# KiCad board pcb.kicad_pcb (continued)
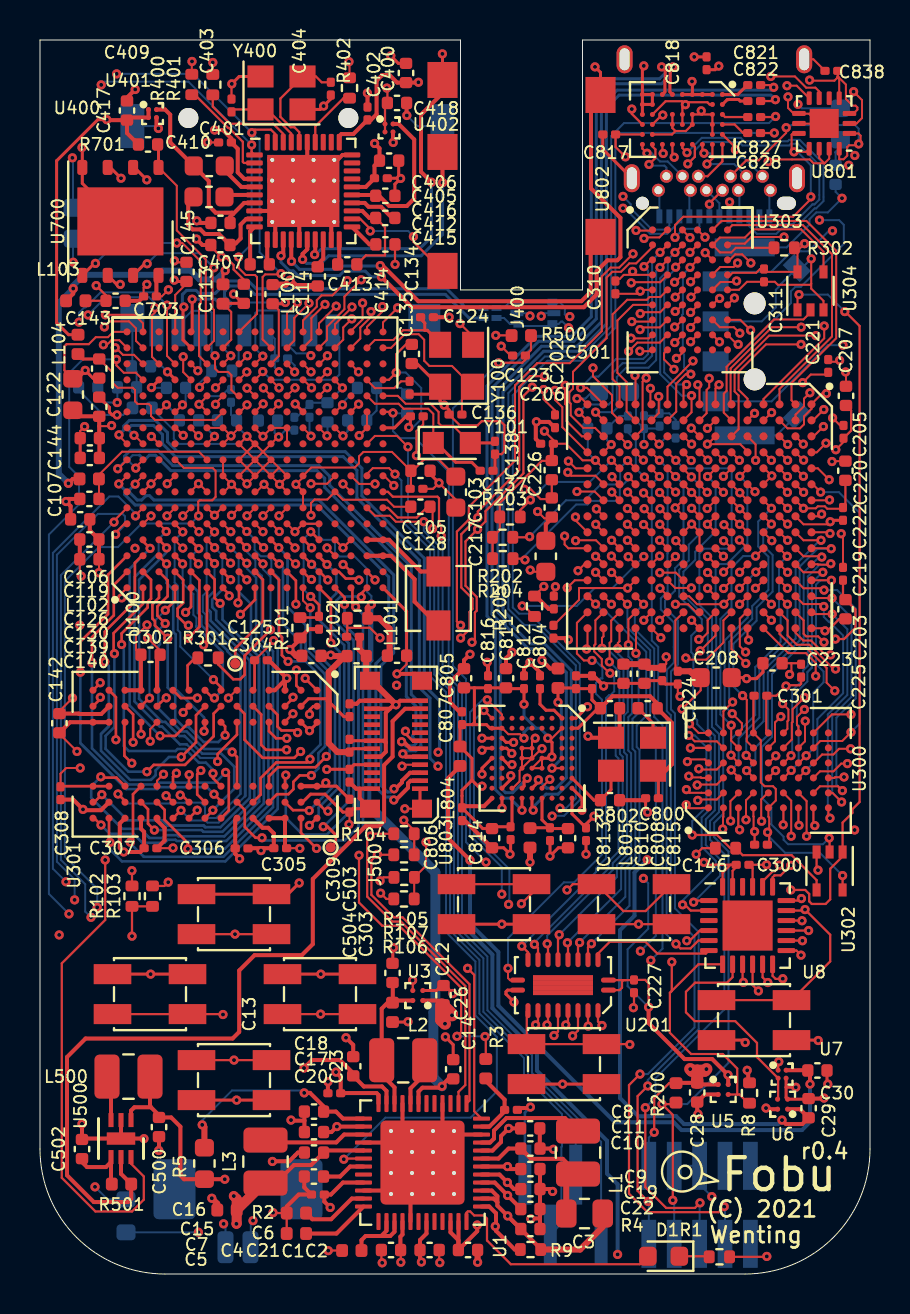
[diagram p0: board, top side]
## Routing (per net, layer and track width the routed paths; a pad name or vN(x,y) marks a point on that pad's centre or on a via; arc(x,y) is an arc through that point) (continued)
SDRAM_D29: length 17
  Top w0.13: v1(13.58,36.33) 13.18,36.72 U100.M4 ; v1(12.88,27.08) 12.77,27.19 12.07,27.19 11.88,27.39 11.88,27.97 U301.D2
  In2.Cu w0.13: v1(13.58,36.33) 13.97,35.93 14.16,35.93 14.16,35.92 14.54,35.92 14.54,35.93 15.45,35.93 15.65,35.73 15.65,35.22 ; 14.82,33.32 14.82,33.68 ; 14.82,33.68 15.36,34.22 15.36,34.93 15.65,35.22 ; 14.82,33.68 14.82,33.29 15.24,32.88 15.24,28.31 13.7,26.78 13.19,26.78 v1(12.88,27.08) ; 15.65,35.22 15.4,34.97
SDRAM_D30: length 11.9
  Top w0.13: U301.D3 11.45,27.15 11.81,26.79 v1(12.34,26.79) ; v1(12.79,33.51) 12.79,34.68 U100.L2
  In2.Cu w0.13: v1(12.79,33.51) 12.79,32.15 13.66,31.28 13.66,29.56 13.5,29.4 12.38,29.4 11.98,29 11.98,27.15 v1(12.34,26.79)
SDRAM_D31: length 16.6
  Top w0.13: U100.P2 14.95,35.12 15.29,34.78 15.88,34.78 v1(15.95,34.71) ; U301.E2 11.06,27.99 11.06,26.47 11.31,26.22 v1(12.33,26.22)
  In2.Cu w0.13: v1(15.95,34.71) 16.97,33.69 16.97,32.99 15.59,31.61 15.59,27.98 14.14,26.53 12.64,26.53 v1(12.33,26.22)
SDRAM_DM0: length 26.1
  Top w0.1: v1(8.73,37.12) 8.35,37.5 U100.F5
  Top w0.13: U301.K9 7.04,23.19 v1(7.05,23.19)
  Bottom w0.1: 10.26,23.91 8.93,22.58 8.37,22.58 8.27,22.69 7.55,22.69 v1(7.05,23.19) ; v1(8.73,37.12) 8.33,36.72 8.33,34.12 8.14,33.93 8.14,33.13 8.3,32.97
  Bottom w0.13: 10.26,23.91 10.26,30.59 9.6,31.25 9.6,31.29 8.34,32.55 8.3,32.55 8.3,32.97 ; 10.26,23.91 10.26,23.91 ; 10.26,23.91 10.26,30.55 10.26,30.55
SDRAM_DM1: length 8.1
  Top w0.13: v1(7.87,28.81) 7.04,28.81 U301.K1 ; U100.J1 10.75,33.73 v1(10.02,33)
  In2.Cu w0.13: v1(10.02,33) 10.02,31.64 7.87,29.49 v1(7.87,28.81)
SDRAM_DM2: length 31.4
  Top w0.13: U100.P1 15.23,33.85 v1(15.23,33.5) ; U301.F8 10.24,23.21 10.24,22.36 10.78,21.82 v1(11.1,21.82)
  Bottom w0.1: 15.23,32.47 15.92,31.78 15.92,22.38 15.23,21.69
  Bottom w0.13: v1(11.1,21.82) 11.23,21.69 15.23,21.69 15.92,22.38 15.92,31.78 15.23,32.47 v1(15.23,33.5)
SDRAM_DM3: length 16.8
  Top w0.13: v1(16.75,34.72) 16.75,34.72 U100.T2 ; U301.F2 10.23,28.02 10.23,26.72 11.13,25.82 12.72,25.82 v1(13.03,26.13)
  In2.Cu w0.13: v1(16.75,34.72) 17.2,34.27 17.2,32.79 15.82,31.41 15.82,27.84 14.26,26.28 13.18,26.28 v1(13.03,26.13)
SDRAM_RAS: length 16.4
  Top w0.13: U301.J9 7.85,23.2 v1(7.86,23.2) ; U100.J4 10.79,36.72 v1(11.18,36.33)
  In2.Cu w0.13: v1(11.18,36.33) 11.55,35.96 11.55,32.84 11.13,32.41 11.13,25.71 9.02,23.6 8.26,23.6 v1(7.86,23.2)
SDRAM_WE: length 19.7
  Top w0.1: v1(7.95,37.13) 7.56,37.53 U100.E5
  Top w0.13: v1(6.3,23.93) 6.32,23.93 U301.K8
  In2.Cu w0.1: 7.53,36.71 7.53,35.21
  In2.Cu w0.13: v1(7.95,37.13) 7.53,36.71 ; 7.53,35.21 5.78,33.46 5.78,31.49 4.26,29.97 2.84,29.97 2.5,29.63 2.5,26.44 4.92,24.02 6.21,24.02 v1(6.3,23.93)
UART2_RXD: length 70.8
  Top w0.1: v1(30.18,33.5) 30.18,33.5 U200.M13 ; U100.A6 3.7,37.67 v1(3.7,37.61)
  In2.Cu w0.1: v1(2.55,17.84) 15.22,17.84 17.39,15.67 30.52,15.67 v1(30.54,15.69)
  Bottom w0.1: v1(2.55,17.84) 2.26,18.13 2.26,19.5 1.05,20.71 1.05,34.96 v1(3.7,37.61) ; v1(30.54,15.69) 31.12,16.27 31.12,27.46 30.71,27.87 30.71,31.28 29.74,32.25 29.74,33.06 v1(30.18,33.5)
UART2_TXD: length 77.4
  Top w0.1: U100.D9 6.78,40.72 7.19,40.32 8.63,40.32 8.78,40.17 8.78,38.87 8.61,38.7 7.98,38.7 7.91,38.63 7.91,37.94 v1(7.93,37.92) ; U200.N13 29.37,33.5 v1(29.37,33.5)
  In2.Cu w0.1: v1(30.02,16.15) 29.74,15.87 17.47,15.87 15,18.34 v1(2.86,18.34)
  Bottom w0.1: v1(7.93,37.92) 7.55,37.54 5.08,37.54 3.9,36.36 2.95,36.36 1.25,34.66 1.25,20.88 2.86,19.27 v1(2.86,18.34) ; v1(29.37,33.5) 29.37,32.34 30.51,31.2 30.51,27.64 30.79,27.36 30.79,16.92 v1(30.02,16.15)
USB_DM: length 18.9
  Top w0.15: v1(7.19,48.37) 7.15,48.33 7.15,46.72 U100.E16
  Bottom w0.15: L800.1 21.3,48.32 20.34,49.28 10.81,49.28 10.42,49.67 9.38,49.67 8.76,49.05 7.95,49.05 7.8,49.2 7.33,49.2 7.12,48.99 7.12,48.44 v1(7.19,48.37)
USB_DP: length 18.4
  Top w0.15: v1(7.61,48.76) 7.61,47.18 U100.E17
  Bottom w0.15: L800.2 21.45,47.82 20.27,49 10.74,49 10.32,49.42 9.48,49.42 9.27,49.2 9.27,49.2 9.22,49.16 9.22,48.89 9.52,48.59 9.52,48.47 9.36,48.31 9.21,48.31 8.76,48.76 v1(7.61,48.76)
WAKEUP: length 44.8
  Top w0.1: U100.T8 16.35,40.02 16.64,40.31 17.45,40.31 v1(17.75,40.01)
  Top w0.11: v1(15.19,5.74) 15.22,5.78 U1.18
  Bottom w0.1: v1(17.75,40.01) 18.07,39.69 18.07,37.69 19.5,36.26 19.5,29.9 20.3,29.1 20.3,17.1 21.77,15.63 21.77,12.93 22.84,11.86 22.84,9.13 21.53,7.82 17.27,7.82 v1(15.19,5.74)
Net-(C6-Pad1): length 3.4
  Top w0.2: U1.24 14.83,2.03 C6.1
Net-(C7-Pad1): length 2.2
  Top w0.2: U1.19 15.5,5.38 15,4.88 C7.1
Net-(C8-Pad1): length 3.5
  Top w0.2: U1.47 22.47,7.38 23.23,8.13 23.23,8.72 22.29,9.66 R3.1
Net-(C10-Pad2): length 7.8
  Top w0.2: U1.43 22.92,5.78 23.42,6.28 C10.2 24.55,5.76 26.14,5.76 L1.2 26.31,4.41
  Top w0.3: R4.1 26.31,4.41
Net-(C12-Pad2): length 7.7
  Top w0.2: 17.64,13.58 17.64,14.58 ; 17.64,13.58 17.39,13.58 17.08,13.27 L2.2 17.08,9.98 17.72,9.33 U1.10 ; 17.64,13.58 17.75,13.68 U3.A2
Net-(C18-Pad2): length 10.8
  Top w0.2: v1(13.21,9.06) 13.5,9.06 14.18,8.38 C18.2 14.8,8.12 15.14,7.78 U1.13
  Top w0.3: v1(8.11,7.46) 8.22,7.35 R5.2
  Bottom w0.1: v1(8.11,7.46) 8.11,7.69 9.6,9.18 13.09,9.18 v1(13.21,9.06)
Net-(C101-Pad1): length 11.3
  Top w0.11: C101.1 15.36,31.91 15.36,32.33 ; v1(14.35,36.32) 14.75,35.92 U100.P3 ; v1(17,31.82) 16.5,32.33 15.36,32.33 ; 15.36,32.33 R100.2
  In2.Cu w0.13: v1(17,31.82) 17.71,32.53 17.71,35.26 16.2,36.77 14.78,36.77 14.78,36.75 v1(14.35,36.32)
Net-(C102-Pad1): length 6.2
  Top w0.13: v1(13.54,37.12) 13.55,37.12 U100.N4 ; v1(13.53,33.89) 13.95,33.47 C102.1 13.89,32.83 R101.1
  Bottom w0.1: v1(13.54,37.12) 13.18,36.77 13.18,34.24 v1(13.53,33.89)
Net-(C110-Pad1): length 1.7
  Top w0.1: U100.P12 14.78,43.12 v1(15.12,43.47)
  Bottom w0.1: v1(15.12,43.47) 15.12,43.58 C110.1
Net-(C111-Pad1): length 1.4
  Top w0.1: v1(15.15,41.92) 14.75,42.32 U100.P11
  Bottom w0.1: C111.1 15.38,42.15 v1(15.15,41.92)
Net-(C113-Pad1): length 12.6
  Top w0.1: L100.2 9.56,48.12 9.56,46.73 U100.G16 ; v1(13.55,41.91) 13.55,41.92 U100.M11 ; U100.K15 11.94,45.92 11.94,48.22 C114.1
  Top w0.15: L100.2 9.17,48.55 C113.1 10.14,48.55 v1(9.68,49.01) ; v1(12.27,48.59) 12.2,48.53 C114.1
  Bottom w0.1: v1(9.68,49.01) 10.1,48.59 v1(12.27,48.59) ; C115.1 13.47,41.98 v1(13.55,41.91)
Net-(C123-Pad1): length 7.7
  Top w0.1: U100.U16 17.56,46.33 18.24,47.01 18.93,47.01 19.21,46.73 19.21,45.68 19.47,45.42 20.6,45.42 21.09,44.92 21.09,42.9
Net-(C124-Pad1): length 5.1
  Top w0.1: 19.24,47.2 19.23,47.21 18.16,47.21 17.67,46.72 16.75,46.72 U100.T16
  Top w0.15: 19.03,47.78 19.24,47.56 19.24,47.2 19.37,47.2 20,46.56 20,46.41
Net-(C126-Pad1): length 7.3
  Top w0.1: C126.1 2.95,39.98 4.1,41.13 7.94,41.13 U100.F9
Net-(C134-Pad1): length 8.8
  Top w0.11: U100.U14 17.44,44.72 v1(17.81,45.09) 17.81,46.01 18.3,46.5 C134.1
  Top w0.15: v1(18.44,42.35) 18.52,42.43 C136.1 18.3,42.9 17.72,42.33 U100.U11
  Bottom w0.1: v1(18.44,42.35) 18.65,42.35 19.06,42.76 19.06,44.32 18.29,45.09 v1(17.81,45.09)
Net-(C135-Pad1): length 2.5
  Top w0.1: C135.1 18.05,44.65 17.71,44.31 16.75,44.31 16.35,44.71 U100.T14
Net-(C137-Pad2): length 8.1
  Top w0.1: Y101.1 19.67,43.03 19.41,43.28 18.18,43.28 17.93,43.53 16.75,43.53 U100.T13
  Top w0.15: Y101.1 19.82,41.57 20.79,40.6 21.59,40.6 C137.2
Net-(C138-Pad2): length 6.9
  Top w0.1: Y101.2 20.66,42.43 20.06,42.43 19.93,42.56 19.93,43.12 19.52,43.53 18.28,43.53 17.89,43.92 U100.U13
  Top w0.15: C138.2 22.67,41.57 Y101.2
Net-(C143-Pad1): length 14.9
  Top w0.1: v1(10.35,43.47) 10,43.12 U100.H12
  Top w0.11: v1(2.81,49.44) 3.3,48.95 C143.1 L103.1
  In2.Cu w0.1: v1(2.81,49.44) 3.71,48.54 3.71,47.06 4.77,46 4.77,44.27 6.17,42.87 9.75,42.87 v1(10.35,43.47)
Net-(C144-Pad1): length 9.7
  Top w0.1: C144.1 3.6,45.13 3.6,44.61 3.88,44.33 4.64,44.33 4.75,44.22 4.75,43.65 4.88,43.52 5.44,43.52 5.55,43.41 5.55,42.92 5.75,42.72 8.75,42.72 U100.G12
  Top w0.15: C144.1 2.14,45.77 L104.1
Net-(C403-Pad1): length 4
  Top w0.11: C403.1 9.69,58.25 Y400.1 11.35,58.25 12.56,57.04 U400.37
Net-(C404-Pad1): length 5.8
  Top w0.11: C404.1 14.08,59.61 13.8,59.9 Y400.3 12.02,58.8 12.02,57.88 12.54,57.36 12.72,57.36 12.96,57.12 U400.36
Net-(C407-Pad1): length 6.2
  Top w0.2: C407.1 8.95,52.02 8.25,52.02 8.02,52.25 7.63,52.25 7.41,52.47 7.41,53.61 C410.1 ; 9.5,51.55 9.78,51.55 10.03,51.79 10.03,52.49 10.31,52.77 U400.9
Net-(C408-Pad1): length 9.3
  Top w0.2: 10.72,53.58 10.2,53.58 9.66,53.03 ; 9.66,53.03 9.6,53.09 8.78,53.09 8.44,53.43 8.44,54.67 C409.1 6.51,56.6 6.51,57.99 6.25,58.24 5.83,58.24 ; 9.66,53.03 9.5,52.88 9.5,52.58
Net-(C409-Pad2): length 2.1
  Top w0.2: U400.5 10.06,54.38 9.24,55.2 C409.2
Net-(C410-Pad2): length 1.5
  Top w0.2: 10.72,53.98 9.33,53.98 9.22,53.88
Net-(C411-Pad1): length 2
  Top w0.2: U400.10 10.51,52.16 C411.1
Net-(C411-Pad2): length 1.3
  Top w0.2: U400.11 11.36,50.61 C411.2
Net-(C412-Pad1): length 5
  Top w0.11: C413.1 16.29,50.95 17.25,50.95 17.25,52.36 C412.1
  Top w0.2: U400.23 16.11,53.17 16.47,52.83 C412.1
Net-(C412-Pad2): length 2.5
  Top w0.2: C412.2 17.61,52.83 17.05,53.38 16.43,53.38 16.23,53.58 15.6,53.58
Net-(C413-Pad2): length 1.3
  Top w0.2: C413.2 14.96,50.58 U400.20
Net-(C414-Pad1): length 1.3
  Top w0.2: U400.18 14.16,50.78 13.89,50.5
Net-(C415-Pad1): length 1.6
  Top w0.2: C415.1 16.47,51.5 U400.21
Net-(C416-Pad1): length 7.8
  Top w0.2: 15.6,53.98 15.61,53.97 16.75,53.97 C416.1 16.95,53.93 17.46,53.42 18.34,53.42 18.71,53.79 18.71,56.75 17.94,57.52 17.65,57.52
Net-(C501-Pad1): length 73.1
  Top w0.11: v1(22.93,45.58) 24.11,45.58 24.27,45.74 C501.1 24.55,46.22 R500.1 ; v1(3.26,20.71) 3.26,17.71 1.09,15.54 1.09,4.81 2.77,3.13 4.6,3.13 5.19,3.72 5.19,4.88 4.55,5.52 U500.6
  In2.Cu w0.1: 21.58,20.22 21.92,20.22 v1(22.3,20.6)
  In2.Cu w0.11: v1(3.26,20.71) 4.63,20.71 4.95,20.38 10.17,20.38 10.3,20.51 18.23,20.51 18.52,20.22 21.58,20.22
  Bottom w0.1: v1(22.3,20.6) 21.3,21.6 21.3,23.95 21.3,29.76 20.64,30.42 20.64,43.29 v1(22.93,45.58)
Net-(C502-Pad1): length 3.4
  Top w0.2: R501.1 3.55,4.54 U500.4 3.55,5.6 3.3,5.35 2.35,5.35 2.1,5.6 C502.1
Net-(C821-Pad2): length 1.5
  Top w0.15: U802.A1 34.89,59 35.36,59.47 C821.2
Net-(C822-Pad2): length 1.4
  Top w0.15: U802.A2 34.36,58.74 34.41,58.74 34.42,58.75 34.93,58.75 35.01,58.67 C822.2
Net-(C827-Pad2): length 1.3
  Top w0.11: C827.2 34.25,57.87 U802.A3
Net-(C828-Pad2): length 1.4
  Top w0.11: U802.A4 34.73,57.5 35.16,57.07 35.38,57.07
Net-(CARD700-Pad5): length 2.3
  Bottom w0.1: CARD700.5 10.22,46.52 9.93,46.23 9.93,45.5 R700.1
Net-(D1-Pad1): length 1.5
  Top w0.11: R1.1 33.43,0.89 D1.1
Net-(D1-Pad2): length 11.4
  Top w0.11: U1.36 21.33,3.06 21.39,3.13 21.51,3.13 21.71,2.93 22.19,2.93 22.35,2.77 22.35,1.68 23.54,0.49 29.99,0.49 D1.2
Net-(J400-PadR): length 12.9
  Top w0.2: J400.R 20.12,54.6 ; v1(13.13,50.75) 13.13,51.02 13.36,51.26 U400.16
  Top w0.3: 20.12,54.6 20.13,54.6 v1(20.13,54.59)
  Bottom w0.15: v1(13.13,50.75) 13.33,50.55 14.05,50.55 14.43,50.93 19.06,50.93 20.13,52 v1(20.13,54.59)
Net-(J400-PadT): length 20.2
  Top w0.11: 17,50.42 17,50.43 v1(17.01,50.44)
  Top w0.2: 17,50.42 17.15,50.42 18.91,48.66 27.07,48.66 27.53,49.12 27.53,51.38 J400.T ; U400.14 12.56,50.67 v1(12.58,50.66)
  Bottom w0.15: v1(17.01,50.44) 16.99,50.42 15.03,50.42 14.86,50.25 12.98,50.25 v1(12.58,50.66)
Net-(J400-PadTN): length 5.8
  Top w0.11: v1(18.67,51.89) 18.67,51.63 J400.TN ; v1(16.51,52.17) 16.51,52.28 16.01,52.77 U400.22
  Bottom w0.1: v1(18.67,51.89) 18.67,51.91 18.41,52.17 v1(16.51,52.17)
Net-(J800-PadA5): length 14.9
  Top w0.1: U801.10 37.64,57.05 37.58,56.99 37.58,56.25 v1(37.7,56.13) 38.3,56.13 U801.11 ; v1(38.54,53.88) 38.58,53.84 38.61,53.84 37.66,52.89 32.17,52.89 31.75,52.47 v1(31.75,51.85)
  Bottom w0.1: v1(31.75,51.85) 32.18,52.28 32.86,52.28 32.97,52.39 J800.A5 ; v1(37.7,56.13) 37.87,56.13 38.54,55.46 v1(38.54,53.88)
Net-(J800-PadB5): length 11.6
  Top w0.1: v1(37.31,57.34) 37.31,57.08 35.94,55.71 ; U801.1 40.92,57.05 41.03,56.94 41.03,56.62 40.87,56.46 40.45,56.46 40.36,56.37 40.36,55.94 40.18,55.76 39.96,55.76 U801.14
  Top w0.11: 35.94,55.71 35.32,55.71 J800.B5
  Bottom w0.1: v1(37.31,57.34) 37.44,57.34 37.57,57.47 40.75,57.47 40.94,57.28 v1(40.94,56.52)
Net-(L1-Pad1): length 5.8
  Top w0.2: L1.1 26.25,7.8 23.32,7.8 22.7,7.18 22.7,6.78 22.5,6.58 U1.45
Net-(L2-Pad1): length 2.5
  Top w0.2: L2.1 19.23,9.99 18.53,9.28 U1.8
Net-(L3-Pad1): length 5.1
  Top w0.2: L3.1 11.39,6.59 13.58,6.59 13.59,6.58 13.6,6.59 14.82,6.59 15.2,6.97 U1.15
Net-(L101-Pad1): length 5.9
  Top w0.2: 16.94,35.92 U100.U3 ; 16.94,35.92 U100.T3 ; 16.94,35.92 17.56,35.92 18.73,34.75 18.73,33.63 L101.1
Net-(L101-Pad2): length 4.2
  Top w0.2: U100.T4 U100.U4 17.45,36.72 19.04,35.14 L101.2
Net-(L500-Pad2): length 2.3
  Top w0.2: U500.3 3.55,9.67 L500.2
Net-(R2-Pad1): length 3.4
  Top w0.2: U1.23 15.59,3.78 14.56,2.74 13.62,2.74 R2.1
Net-(R202-Pad2): length 8.3
  Top w0.1: U200.M5 29.38,40.69 v1(29.38,40.69)
  Top w0.11: v1(24.48,36.88) 24.45,36.85 R202.2
  Bottom w0.1: v1(29.38,40.69) 29.01,40.32 29.01,39.65 28.85,39.49 28.03,39.49 27.24,38.7 26.3,38.7 v1(24.48,36.88)
Net-(R203-Pad2): length 6.5
  Top w0.1: U200.N5 28.57,40.7 v1(28.57,40.7)
  Top w0.11: R203.2 24.01,38.21 v1(24.52,38.72)
  Bottom w0.1: v1(28.57,40.7) 27.49,39.62 25.42,39.62 v1(24.52,38.72)
Net-(R204-Pad2): length 8.5
  Top w0.1: v1(29.41,39.88) 29.78,39.52 U200.M6
  Top w0.11: R204.2 24.19,35.78 v1(24.25,35.72)
  Bottom w0.1: v1(24.25,35.72) 24.25,35.93 26.81,38.49 27.38,38.49 27.56,38.67 28.81,38.67 28.99,38.85 28.99,39.32 29.41,39.74 v1(29.41,39.88)
Net-(R205-Pad2): length 10.4
  Top w0.1: U200.K11 31.76,35.89 v1(31.77,35.89)
  Top w0.11: v1(24.11,33.42) 24.2,33.42 R205.2
  In2.Cu w0.1: v1(31.77,35.89) 31.35,36.31 30.61,36.31 v1(30.19,35.89)
  Bottom w0.1: v1(24.11,33.42) 26.84,33.42 27.73,34.31 28.62,34.31 30.19,35.88 v1(30.19,35.89)
Net-(R300-Pad2): length 15.4
  Top w0.1: U300.B5 33.84,26.65 32.73,26.65 v1(32.44,26.94)
  Top w0.11: v1(32.61,21.96) 33.85,21.96 34.51,21.3 R300.2 35.13,20.95 37.58,20.95 38.83,19.7 U302.4
  Bottom w0.1: v1(32.61,21.96) 32.61,22.66 33.32,23.37 33.32,26.36 32.74,26.94 v1(32.44,26.94)
Net-(R301-Pad2): length 1.9
  Top w0.13: R301.2 7.76,30.82 7.38,30.44 7.38,29.27 U301.J1
Net-(R302-Pad2): length 10.7
  Top w0.1: U304.4 39.18,51.14 38.05,52.26 35.66,52.26 35.24,51.84 33.99,51.84 U303.B5 34,51.1 34.56,51.1 34.79,51.33 R302.2
Net-(R400-Pad1): length 5.1
  Top w0.11: 10.72,55.58 10.19,55.58 10.14,55.63 10.14,56.63 9.45,57.33 9.41,57.33 7.74,58.99 R400.1
Net-(R401-Pad1): length 5.1
  Top w0.11: U400.38 12.16,57.03 11.65,57.54 9.49,57.54 8.64,58.39 R401.1
Net-(R402-Pad1): length 3.1
  Top w0.11: R402.1 15.17,58.81 13.76,57.4 U400.34
Net-(R800-Pad2): length 1.8
  Top w0.15: R800.2 30.65,27.55 X800.1
Net-(TP100-Pad1): length 5.3
  Top w0.13: TP100.1 9.76,31.28 11.15,32.67 11.15,34.73 U100.J2
Net-(TP101-Pad1): length 25.7
  Top w0.13: 14.79,21.96 14.79,21.6 TP101.1
  Top w0.15: v1(14.35,35.49) 13.95,35.89 U100.N3 ; 14.79,21.96 14.37,22.38 v1(14.16,22.38)
  Bottom w0.1: 15.43,23.63 15.43,31.56 14.54,32.45
  Bottom w0.13: 15.44,31.55 15.44,24.12 15.43,24.11 15.43,23.63 14.18,22.38 v1(14.16,22.38) ; 15.44,31.55 15.44,31.55 14.54,32.45 14.54,33.77 14.82,34.05 14.82,35.02 v1(14.35,35.49) ; 15.44,31.55 15.44,31.56
Net-(U803-PadA7): length 3.6
  Top w0.15: U803.A7 27.7,23.7 R802.1 28.55,24.23 X800.3
Net-(U803-PadB1): length 2.2
  Top w0.15: U803.B1 25.7,28.2 25.3,28.2 25,28.5 C804.2

## Copper pours and planes (outline as drawn; the poured copper is in the pictures)
+1V0_FPGA on In3.Cu: 33.63,39.47 34.53,39.47 35.53,38.27 35.53,36.97 33.63,35.07 33.63,32.47 32.13,29.47 22.13,12.47 21.63,11.97 20.13,11.97 19.63,12.47 19.63,14.97 30.63,30.97 30.63,33.97 30,34.7 28.13,34.47 27.13,33.47 25.6,33.47 25,33.9 25,38.1 25.4,38.5 27,38.5 27.6,37.1 29.4,36.5 30.63,36.87 30.63,39.97 30.13,40.47 29.63,40.47 29.13,40.97 29.13,41.47 29.63,41.97 30.13,41.97
+1V8 on In3.Cu: 4,47.9 7.4,47.9 7.4,44.9 12.3,44.9 13.43,41.36 14.63,41.36 17.61,41.34 17.6,32.7 16,30.5 16,22.6 12.8,19.6 12.8,8.5 17.6,2.9 32.8,2.9 32.87,7.7 34.61,11.29 38.8,11.3 38.8,3.7 35.8,1.3 18.4,1.3 18.4,-0.5 0,-0.5 0,37.5 3.01,39.73 8.03,39.72 9.6,38.3 12.6,38.3 13.31,38.94 13.3,39.9 12.6,39.9 12.6,41.9 11.8,42.7 9.4,42.7 9.4,44.1 4,44.1
+1V8_FPGA on In3.Cu: 40.1,42.2 40.1,12.7 38.8,11.5 34.4,11.5 33.6,9.9 32,9.9 32,19.1 36.7,19.1 36.7,22.6 32,22.6 31.93,28.67 33.8,32.4 33.8,34.9 35.73,36.87 35.73,38.47 34.53,39.67 33.73,39.67 30.2,42.1 29.5,42.1 29,41.6 29,40.87 29.53,40.3 30.1,40.3 30.5,39.87 30.5,37 29.4,36.7 27.7,37.2 27.1,38.7 25.4,38.7 24.8,38.1 24.8,33.87 25.53,33.27 27.13,33.27 28.2,34.3 29.9,34.5 30.4,33.8 30.4,31 24.2,22.1 23,22.1 23,42.7 25.53,45.27 38.38,45.28
+1V8A on In3.Cu: 10.13,38.87 12.04,38.86 12.65,39.68 12.93,39.67 13.13,39.47 13.13,39.07 12.53,38.47 9.7,38.47 8.05,39.97 2.95,39.96 1.78,39.09 1.33,39.07 1.13,39.27 1.13,39.67 2.49,40.85 8.27,40.83
+3.3VA on In3.Cu: 18.4,32.5 17,30.5 17,22.1 14,19.1 14,9.7 13,9.7 13,19.5 16.2,22.5 16.2,30.5 17.8,32.7 17.8,53.7 16.2,53.7 16.2,57.1 18.4,57.1
+3V3 on In3.Cu: 38.61,59.32 37.69,59.32 37.19,58.34 37.2,55.9 36.8,55.1 31.4,55.1 30.6,54.35 28.2,54.35 28.2,48.7 28,48.3 24.6,48.3 24.6,46.9 21.4,43.9 21.4,34.2 19,31.8 19,19.2 17,16.6 17,9.7 14.2,9.7 14.2,19 17.2,22 17.2,30.5 18.6,32.4 18.6,57.3 16,57.3 16,53.47 17.6,53.47 17.59,42.1 13.8,42.1 13.78,49.1 12,49.1 12,45.1 7.6,45.1 7.6,48.1 3.8,48.1 3.8,43.9 9.2,43.9 9.2,42.7 0.4,42.7 0.4,60.7 20.8,60.7 20.8,49.1 27.4,49.1 27.4,60.9 38.62,60.93
/mcu/VDD_SOC on In3.Cu: 12.4,41.87 12.4,39.67 11.93,39.07 10.33,39.07 8.45,41.07 3.48,41.09 2.93,41.27 2.93,41.87 3,42.5 11.73,42.5
GND on In1.Cu, In4.Cu: 42,-0.5 -1,-0.5 -1,62.5 42,62.5
VBUS on In3.Cu: 41.2,55.5 41.2,0.1 18.6,0.1 18.6,1.1 35.8,1.1 39,3.7 39,11.3 40.3,12.6 40.3,42.4 38.6,45.3 38.6,52.5 39.4,53.9 39.4,56.1 40.6,56.1
VBUS_IN on In3.Cu: 39.2,58.5 39.19,54.01 38.45,52.72 29,52.7 29,48.1 27.8,46.7 24.8,46.7 24.8,48.1 28,48.1 28.4,48.67 28.4,54.15 30.8,54.15 31.4,54.7 36.86,54.75 37.42,55.78 37.4,58.3 37.8,59.1 38.6,59.1
+RAM on In3.Cu: 38.4,45.5 25.4,45.5 22.8,42.9 22.8,19.9 19.4,14.9 19.4,12.3 20,11.7 22,11.7 28.3,22.4 36.5,22.4 36.5,19.3 31.8,19.3 24.4,8.9 24.4,4.3 23.8,3.9 22.6,3.9 22.2,4.5 22.2,9.1 18.6,9.1 17.2,10.7 17.2,16.5 19.2,19.1 19.2,31.7 21.6,34.1 21.6,43.7 24.6,46.5 27.95,46.52 29.16,48 29.2,52.5 38.4,52.5
Net-(C113-Pad1) on In3.Cu: 13.64,42 13.42,41.99 12.2,45.7 12.2,48.9 13.6,48.9

## Text on the board
User.Comments: SE | 90 DE | 100 DE | Width | 0.11 | 0.13 | 0.19 | 0.15 | Top | Sep | - | 0.1 | Z | 67.4 | 62.5 | 88.9 | 100.8 | 0.21 | 0.17 | In2 | 72.8 | 67.9 | 90.8 | 100.3 | Bottom | PCB Layer Stackup (PCBGOGO/JDBPCB): / Top Copper 0.035mm / PP   0.11 mm 4.2 / In1 Copper 0.035mm / Core  0.13 mm 4.2 / In2 Copper 0.035mm / PP   0.11 mm 4.2 / In3 Copper 0.035mm / Core  0.13 mm 4.2 / In4 Copper 0.035mm / PP   0.11 mm 4.2 / Btm Copper 0.035mm | Signal / Ground / Signal / Power / Ground / Signal
F.Silkscreen: r0.4 | (C) 2021 / Wenting | Fobu
